# KiCad board coco2.kicad_pcb (continued)
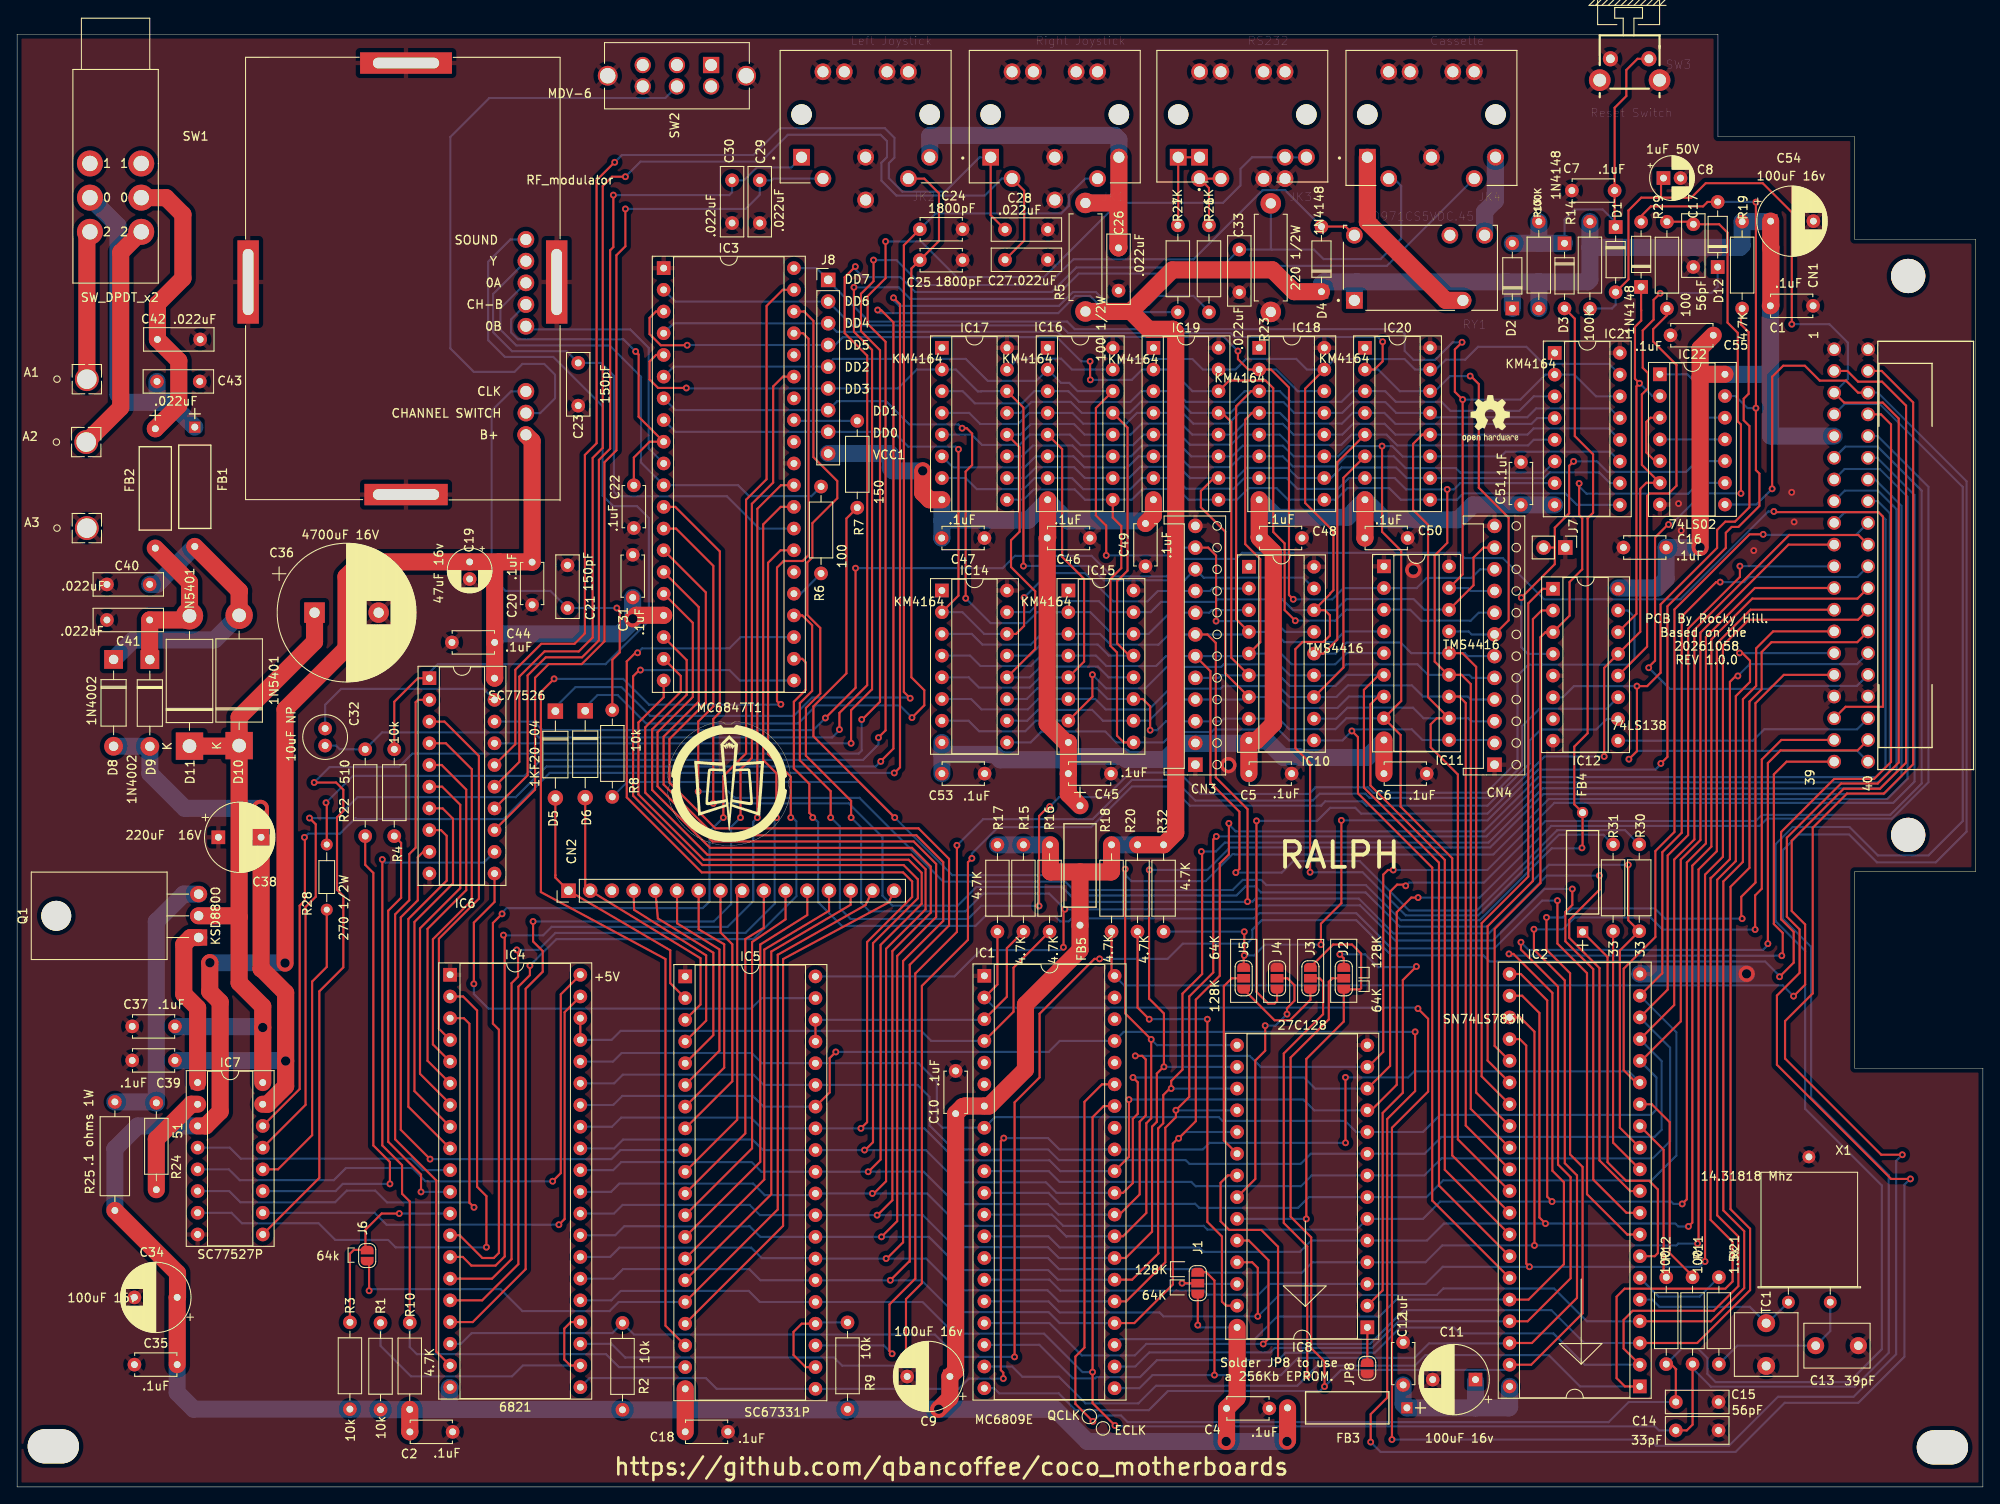
[diagram p0: board, top side]
## Routing (per net, layer and track width the routed paths; a pad name or vN(x,y) marks a point on that pad's centre or on a via; arc(x,y) is an arc through that point) (continued)
/roms/128K_ROM_~{CE}: length 168.9
  Top w0.25: v2(154.94,78) 154.94,68.3 152.55,65.91 v2(152.55,63.45) ; 143.51,60.82 143.51,62.13 v2(143.58,62.2) v2(143.58,64.97) ; v2(192.32,84.66) 193.09,85.43 193.09,103.05 199.92,109.88 199.92,111.65 200.61,112.34 201.4,112.34 203.85,114.79 203.85,118.58 203.44,118.99 v2(203.44,126.24) v2(203.44,150.35) ; 198.97,150.37 197.78,150.37 197.26,149.85 191.15,149.85 190.01,148.71 D7.2
  Bottom w0.25: v2(143.58,64.97) 143.57,64.98 R32.2 ; v2(143.58,62.2) 144.74,62.2 145.99,63.45 v2(152.55,63.45) ; v2(203.44,126.24) 202.47,126.24 201.05,127.66 IC22.13 ; v2(203.44,150.35) 203.42,150.37 198.97,150.37 ; v2(192.32,84.66) 192.32,84.58 191.68,83.94 177.98,83.94 172.04,78 v2(154.94,78)
/roms/A11_OR_A12: length 50.4
  Top w0.25: v2(150.84,31.36) 150.84,50.08 155.22,54.46 J2.1 157.12,58.22 157.25,58.35 157.25,62.4 156.18,63.47 153.97,63.47 151.32,60.82
  Bottom w0.25: IC8.23 150.83,31.37 v2(150.84,31.36)
/roms/A12_OR: length 53.4
  Top w0.25: IC8.2 159.77,23 159.77,43.76 162.13,46.12 162.13,59.31 v2(163.72,60.9) ; v2(154.76,62.32) 155.22,61.86 155.22,60.82
  Bottom w0.25: v2(163.72,60.9) 163.64,60.82 159.22,60.82 157.72,62.32 v2(154.76,62.32)
/roms/A13_VCC: length 8.3
  Top w0.25: J1.2 v2(136.3,23.84)
  Bottom w0.25: v2(136.3,23.84) 136.39,23.75 IC8.26
/roms/~{CE_}A11: length 22.9
  Top w0.25: J5.2 142.12,59.52 141.19,58.59 141.19,40.54 IC8.20
/roms/~{CS_BASIC}: length 138.3
  Top w0.25: v2(185.69,85.48) 185.69,95.85 IC12.13 189.91,100.07 189.91,116.79 190.62,117.5 IC22.6 190.1,119.6 190.1,127.84 190.81,128.55 190.81,130.35 190.2,130.96 190.2,135.33 191.47,136.6 191.47,138.91 v2(192.24,139.68) ; v2(145.01,77.94) 145.01,57.93 146.38,56.56 147.12,56.56 147.41,56.85 J4.3
  Bottom w0.25: D12.1 198.97,140.44 198.97,140.44 198.24,139.71 192.27,139.71 v2(192.24,139.68) ; v2(185.69,85.48) 178.72,85.48 172.03,78.79 157.25,78.79 156.57,79.47 153.63,79.47 152.1,77.94 v2(145.01,77.94)
/roms/~{ROM_OE}: length 30.7
  Top w0.25: J4.2 148.64,59.52 149.45,58.71 149.45,56.89 148.58,56.02 v2(148.58,55.33) ; v2(146.03,53.97) 146.03,51.05 144.87,49.89 144.87,36.04 IC8.22
  Bottom w0.25: v2(146.03,53.97) 147.22,53.97 v2(148.58,55.33)
/R~{W}: length 248.9
  Top w0.25: v2(155.42,47.92) 155.42,40.28 v2(155.43,40.27) ; v2(204.29,111.47) 202.7,111.47 193.91,102.68 193.91,76.64 191.68,74.41 191.68,64.35 187.97,60.64 187.97,48.77 189.42,47.32 189.86,47.32 ; v2(115.44,40.82) 115.1,40.48 115.1,13.66 115.39,13.37 v2(115.39,12.68)
  Bottom w0.25: v2(115.44,40.82) 120.62,40.82 121.95,39.49 IC1.32 138.74,39.49 139.52,40.27 v2(155.43,40.27) ; IC4.21 66.97,12.74 80.59,12.74 81.85,11.48 IC5.21 110.17,11.48 111.36,12.68 115.39,12.68 v2(115.39,12.68) ; 189.86,47.32 188.56,48.62 163.46,48.62 162.76,47.92 v2(155.42,47.92) ; v2(204.29,111.47) 204.35,111.41 215.16,111.41 CN1.18
/sam/DA0: length 168.3
  Top w0.25: v2(180.22,68.61) 180.22,63.58 183.68,60.12 183.68,34.25 188.41,29.52 188.43,29.54 IC2.8 ; 93.09,78.47 92.69,78.87 92.69,82.27 90.88,84.08 90.88,91.88 92.28,93.28 92.28,96.48 91.86,96.91 IC3.22
  Bottom w0.25: v2(93.09,78.33) 93.18,78.33 93.73,77.78 93.73,68.41 96.49,65.65 112.12,65.65 113.26,66.79 121.43,66.79 122.04,66.18 123.04,66.18 123.74,66.88 124.99,66.88 125.34,66.53 144.72,66.53 145.33,67.14 156.68,67.14 160.8,63.02 172.84,63.02 178.43,68.61 v2(180.22,68.61)
/sam/~{BUS_ENABLE}: length 166
  Top w0.25: v2(119.57,67.98) 119.57,78.51 120.67,79.61 v2(120.82,79.61) ; 95.19,78.51 95.19,81.42 91.58,85.03 91.58,91.74 91.61,91.74 93.02,93.15 93.02,100.83 91.86,101.99 IC3.24
  Bottom w0.25: v2(95.19,78.33) 95.23,78.33 96.26,77.29 96.26,67.72 97.52,66.46 111.26,66.46 112.8,68 119.55,68 v2(119.57,67.98) ; IC12.15 188.45,102.56 189.23,101.78 189.23,96.92 188.53,96.22 176.83,96.22 175.55,94.94 175.55,84.92 171.86,81.23 158.68,81.23 158.04,81.87 151.86,81.87 151.86,81.79 151.16,81.09 138.46,81.09 135.95,83.6 130.23,83.6 127.35,80.72 121.93,80.72 v2(120.82,79.61)
/sam/~{CS_EXTENDED_BASIC}: length 45
  Top w0.25: D7.1 190.01,137.7 190.02,137.69 190.02,136.48 189.29,135.75 189.29,129.68 v2(189.82,129.15) 189.46,128.79 189.46,102.16 IC12.14
  Bottom w0.25: IC22.2 191.31,127.66 v2(189.82,129.15)
/sam/~{RAS_}CP: length 189.5
  Top w0.25: IC2.12 187.52,42.04 187.52,62.76 R30.2 188.51,66.31 v2(188.51,72.8) ; v2(79.69,81.37) 79.69,89.56 81.46,91.33 81.46,107.78 77.09,112.15 IC3.13
  Bottom w0.25: v2(188.51,72.8) 179.21,72.8 171.98,65.57 161.77,65.57 157.78,69.56 145.54,69.56 144.83,70.27 143.72,70.27 142.66,69.21 124.25,69.21 122.63,70.83 108.37,70.83 98.56,80.64 83.95,80.64 83.22,81.37 v2(79.69,81.37)
/VDGCLK: length 233.6
  Top w0.25: v2(102.68,78.33) 93.17,87.84 93.17,91.34 97.03,95.2 97.03,113.32 R7.1 ; D3.2 182.25,136.71 182.25,122.97 184.39,120.83 184.39,113.99 183.75,113.35 183.75,88.19 182.19,86.63 182.19,79.88 FB4.2 183.16,74.85 v2(183.09,74.78)
  Bottom w0.25: R8.2 71.38,82.49 98.52,82.49 v2(102.68,78.33) 109.43,71.58 122.95,71.58 124.68,69.85 142.22,69.85 143.4,71.03 145.56,71.03 146.16,70.43 157.8,70.43 161.91,66.32 171.14,66.32 179.55,74.73 183.14,74.73
/video/~{BURST}PC: length 4.2
  Bottom w0.25: IC3.25 91.68,104.53 R6.1
/video/~{INT}_EXT: length 127.3
  Top w0.25: IC3.30 89.37,117.23 86.61,114.46 86.61,78.32 ; IC4.14 52.14,26.91 53.15,25.9 55.98,25.9 57.05,26.97 57.05,64.42 v2(56.9,64.57)
  Bottom w0.25: v2(56.9,64.57) 56.92,64.55 61.55,64.55 62.54,65.54 83.12,65.54 86.13,68.55 86.13,77.84 v2(86.61,78.33)
/~{CART}: length 281.7
  Top w0.25: v2(126.65,61.79) 126.05,61.79 119.63,55.37 119.63,47.92 116.7,45 v2(116.7,15.22) ; CN1.8 218.07,125.51 219.25,124.33 219.25,84.83 217.27,82.85 212.6,82.85 206.39,76.64 206.39,66.42 207.86,64.95 207.86,61.35 v2(206.21,59.7)
  Bottom w0.25: IC4.18 51.94,16.75 53.19,18 69.65,18 R2.1 72.18,17.83 107.38,17.83 109.99,15.22 v2(116.7,15.22) ; v2(206.21,59.7) 206.21,59.79 204.52,61.48 172.28,61.48 171.56,62.2 160.8,62.2 156.68,66.32 145.63,66.32 144.52,65.21 144.52,64.2 143.89,63.57 136.39,63.57 134.61,61.79 v2(126.65,61.79)
/~{CS_PIA0}: length 161.9
  Top w0.25: v2(102.38,15.58) 102.07,15.89 102.07,21.36 105.09,24.38 105.09,60.08 109.96,64.95 v2(109.96,75.08)
  Bottom w0.25: IC12.11 185.98,91.06 178.12,91.06 176.1,89.04 176.1,84.44 172.3,80.64 158.24,80.64 157.76,81.12 152.4,81.12 151.6,80.32 137.85,80.32 135.43,82.74 130.45,82.74 125.85,78.14 113.02,78.14 v2(109.96,75.08) ; v2(102.38,15.58) 101.4,16.56 IC5.23
/~{CSPIA1}: length 188.3
  Top w0.25: v2(111.71,73.56) 111.25,73.1 111.25,64.02 105.86,58.63 105.86,23.84 104,21.98 104,16.07 v2(104.53,15.54)
  Bottom w0.25: IC4.23 69.53,16.75 71.16,15.12 71.18,15.15 95.58,15.15 96.53,14.19 103.18,14.19 v2(104.53,15.54) ; v2(111.71,73.56) 111.71,74.12 114.79,77.2 125.66,77.2 130.43,81.97 134.96,81.97 137.21,79.72 152.59,79.72 152.59,79.76 153.06,80.23 157.38,80.23 157.89,79.72 172.03,79.72 176.96,84.65 176.96,87.32 178.27,88.63 184.77,88.63 186,89.86 IC12.10
/~{CTS}: length 93.9
  Top w0.25: v2(193.22,112.62) 193.15,112.62 191.64,111.11 191.64,96.69 190.9,95.95 v2(190.9,95.86) ; R29.1 195.83,148.05 C17.2 199.14,147.76 200.12,146.78 200.12,136.25 201.32,135.05 201.32,124.69 201.69,124.32 v2(201.69,116.26)
  Bottom w0.25: v2(190.9,95.86) 193.38,93.38 204.97,93.38 205.32,93.73 215.26,93.73 CN1.32 ; v2(201.69,116.26) 197.18,116.26 193.54,112.62 v2(193.22,112.62)
/~{FIRQ}: length 66.7
  Top w0.25: IC1.4 116.58,55.6 116.58,60.76 R16.2 ; IC4.38 IC4.37
  Bottom w0.25: IC4.37 69.56,52.31 70.62,53.37 105.78,53.37 106.96,52.19 IC1.4
/~{FS}: length 163.9
  Top w0.25: IC5.18 75.86,18.87 75.86,61.77 61.28,69.61 61.28,93.01 v2(62.83,94.56) ; IC3.37 91.95,135 92.6,134.36 92.6,109.04 91.91,108.35 89.68,108.35 88.91,107.58 88.91,91.95 89.28,91.58 v2(89.36,91.58)
  Bottom w0.25: v2(89.36,91.58) 89.31,91.53 73.94,91.53 70.91,94.56 v2(62.83,94.56)
/~{HALT}: length 174.2
  Top w0.25: v2(207.85,57.43) 207.86,57.43 209.2,58.77 209.2,65.82 207.63,67.39 207.63,75.62 213.71,81.7 217.96,81.7 221.01,84.75 221.01,126.53 218.2,129.34 215.39,129.34 214.14,130.59 CN1.3 ; IC1.40 128.05,60.17 R18.2
  Bottom w0.25: v2(207.85,57.43) 206.59,58.69 129.52,58.69 IC1.40
/~{HS}: length 244.8
  Top w0.25: IC3.38 92.08,137.55 92.08,137.55 93.17,136.46 93.17,120.5 95.96,117.71 95.96,115.69 93.05,112.78 93.05,108.77 92.46,108.18 92.46,102.03 93.97,100.52 93.97,92.84 92.29,91.16 92.29,85.57 97.58,80.28 v2(97.58,78.33) ; v2(181.96,69.97) 181.96,68.1 181.15,67.29 181.15,63.85 184.41,60.59 184.41,35.96 188.29,32.08 IC2.9 ; v2(122.59,67.6) 122.43,67.44 122.43,63.4 122.42,63.39 v2(122.42,63.15)
  Bottom w0.25: IC5.40 109.67,59.74 112.75,62.82 122.09,62.82 v2(122.42,63.15) ; v2(97.58,78.33) 98.75,77.16 98.75,68.34 99.73,67.36 110.96,67.36 113.03,69.43 120.76,69.43 v2(122.59,67.6) 144.85,67.6 145.31,68.06 157.12,68.06 161.24,63.94 172.67,63.94 178.71,69.98 181.95,69.98 v2(181.96,69.97)
/~{IRQ}: length 34.5
  Top w0.25: IC5.38 IC5.37 ; 113.17,54.73 115.8,57.36 115.8,63.04 R15.2
  Bottom w0.25: 113.17,54.73 113.1,54.66 IC5.38
/~{NMI}: length 310.4
  Top w0.25: v2(163.9,55.97) 165.09,54.78 165.09,46.26 160.86,42.03 v2(160.86,5.54) ; v2(220.57,38.87) 218.11,38.87 206.85,50.13 206.85,54.51 210.09,57.75 210.09,77.14 214.09,81.14 218.41,81.14 221.84,84.57 221.84,126.9 218.15,130.59 CN1.4 ; R17.2 114.7,58.8 IC1.2
  Bottom w0.25: v2(220.57,38.87) 219.85,38.15 219.85,15.53 214.87,10.55 206.03,10.55 200.29,4.81 191.77,4.81 191.04,5.54 v2(160.86,5.54) ; IC1.2 114.37,56.07 163.8,56.07 v2(163.9,55.97)
/~{RESET}: length 424.8
  Top w0.25: C8.1 192.34,152.88 192.34,150.87 ; v2(163.57,53.25) 163.57,46.32 160.3,43.05 160.3,10.44 158.37,8.51 v2(158.37,5.25) ; 192.34,150.87 190.03,150.87 188.53,149.37 188.53,141.31 D1.2 ; 192.34,150.87 195.88,150.87 197.57,152.56 204.24,152.56 207.64,149.16 v2(207.64,136.06) ; v2(95.79,50.9) 95.07,50.18 95.07,46.16 IC5.34 ; CN1.5 213.76,126.89 218.28,126.89 220.15,125.02 220.15,84.77 217.69,82.31 213.4,82.31 207.06,75.97 207.06,66.73 208.55,65.24 208.55,60.15 205.9,57.5 205.9,49.4 219.26,36.04 v2(221.52,36.04)
  Bottom w0.25: D1.2 187.03,138.33 186.6,137.9 R14.2 ; v2(158.37,5.25) 159.53,4.09 201.06,4.09 206.81,9.84 215.42,9.84 220.81,15.23 220.81,35.36 221.49,36.04 v2(221.52,36.04) ; v2(95.79,50.9) 120.7,50.9 121.99,52.19 IC1.37 129.47,53.25 v2(163.57,53.25) ; IC4.34 69.74,44.69 70.8,45.75 86.08,45.75 87.33,44.5 IC5.34 ; CN1.5 214.2,129.65 214.2,133.9 212.04,136.06 v2(207.64,136.06)
/~{SCS}: length 30.3
  Bottom w0.25: CN1.36 215.27,88.66 204.42,88.66 203.08,87.32 IC12.9
/~{SLENB}: length 100.2
  Top w0.25: R19.2 201.68,137.75 201.68,136.04 202.59,135.13 202.59,127.92 202.01,127.34 202.01,124.82 202.68,124.15 202.68,114.64 201,112.96 199.87,112.96 198.9,111.99 198.9,109.88 192.29,103.27 192.29,95.28 190.72,93.71 v2(189.52,93.71) 189.52,86.1 v2(188.58,85.16)
  Bottom w0.25: IC12.6 180.84,92.4 182.15,93.71 v2(189.52,93.71) ; CN1.40 215.3,86.13 189.55,86.13 v2(188.58,85.16)
Net-(A1-Pad1): length 17.4
  Top w2: SW1.3 8.16,146.51 A1.1
Net-(A2-Pad1): length 27.3
  Top w2: SW1.6 12.12,144.47 12.12,126.3 A2.1
Net-(C7-Pad1): length 41.3
  Top w0.25: SW3.1 189.59,167.12 188.28,165.81 188.28,162.76 186.91,161.39 C7.1 186.91,147.55 D1.1
  Bottom w0.25: D3.1 181.05,148.3 182.24,149.49 185.51,149.49 187.03,147.97 D1.1
  Bottom w2: R13.2 178.04,145.66 178.17,145.53 ; 178.17,145.53 D3.1 ; 178.17,145.53 D2.2
Net-(C11-Pad1): length 20.4
  Bottom w2: 170.63,9.25 170.63,12.36 ; 170.63,9.25 174.54,9.25 174.62,9.33 IC2.40 ; 170.63,9.25 FB3.1 162.17,9.69 C12.2
Net-(C13-Pad1): length 18
  Bottom w0.25: R21.2 201.27,16.53 C13.1 212.14,18.24 X1.1
Net-(C21-Pad2): length 53
  Top w0.25: R8.1 69.64,96.79 70.51,97.66 70.51,102.51 v2(70.17,102.85)
  Bottom w0.25: 59.53,128.2 57.79,128.2 55.53,125.94 55.53,106.47 57.15,104.85 62.4,104.85 C21.2 v2(70.17,102.85)
Net-(C22-Pad1): length 38.9
  Top w0.25: v2(72.37,132.87) 72.72,132.52 72.72,125.24 IC3.9 74.01,122.31 72.16,120.46 C22.1
  Bottom w0.25: MDV-6.5 57.81,136.64 57.81,135.09 58.6,134.3 70.93,134.3 72.36,132.87 v2(72.37,132.87)
Net-(C23-Pad2): length 62.6
  Bottom w0.25: IC3.28 86.83,112.15 83.05,115.93 70.38,115.93 69.83,116.48 69.83,130.02 68.32,131.53 C23.2 64.28,132.9 57.92,132.9 55.69,135.13 55.69,139.6 MDV-6.7
Net-(C24-Pad1): length 125.2
  Top w0.25: C24.1 103.75,145.3 103.75,93.03 v2(104.49,92.29)
  Bottom w0.25: JK1.4 124.99,153.1 123.06,151.17 123.06,149.92 122.17,149.03 107.48,149.03 C24.1 ; v2(104.49,92.29) 104.4,92.38 93.03,92.38 90.88,90.23 74.07,90.23 70.7,93.6 65.34,93.6 62.98,91.24 D5.1
Net-(C25-Pad1): length 110.3
  Top w0.25: v2(104.7,90.02) 106.14,91.46 106.14,93.23 104.63,94.74 104.63,142.57 C25.1 107.86,145.8 107.86,151.38 106.14,153.1 JK2.4
  Bottom w0.25: D6.1 66.47,91.23 67.91,92.67 70.27,92.67 73.6,89.34 91.38,89.34 93.49,91.45 103.27,91.45 v2(104.7,90.02)
Net-(C26-Pad1): length 46.5
  Top w2: R5.2 128.67,150.25 128.79,150.13 128.79,145.07 C26.1 128.91,145.03 JK1.5
  Bottom w2: JK1.5 128.91,157.66 128.42,158.15 106.84,158.15 106.78,158.09 JK2.5
Net-(C32-Pad2): length 23.9
  Bottom w0.25: IC6.19 54.57,93.39 37.91,93.39 36.04,91.52 C32.2
Net-(C40-Pad1): length 34.2
  Top w2: 25.98,101.99 25.98,104.8 26.01,104.83 FB1.2
  Bottom w2: 25.98,101.99 23.1,99.11 13.57,99.11 D8.1 ; C40.1 16.35,105.61 FB1.2
Net-(C41-Pad1): length 19.1
  Top w2: FB2.2 20.17,105.86 D11.2 19.69,101.45 C41.1 15.51,96.83 D9.1
Net-(C42-Pad1): length 34.2
  Top w2: SW1.5 17.43,150.87 19.4,148.9 19.4,141.43 16.42,138.45 C42.1 18.92,131.78 18.92,126.56 16.19,123.83 FB2.1
Net-(C43-Pad1): length 37.6
  Bottom w2: C43.1 16.37,127.49 15.8,126.92 ; SW1.2 11.8,147.59 11.8,127.86 12.74,126.92 15.8,126.92 ; FB1.1 17.89,126.92 15.8,126.92
Net-(CN2-Pad9): length 35.6
  Top w0.25: CN2.9 84.25,69.19 84.25,42.96 78.17,36.88
Net-(CN2-Pad10): length 39.6
  Top w0.25: CN2.10 87.36,65.43 85.2,64.11 85.2,41.37 IC5.11
Net-(CN2-Pad11): length 43.3
  Top w0.25: CN2.11 89.91,66.42 85.99,63.76 85.99,39.62 IC5.12
Net-(CN2-Pad12): length 47.2
  Top w0.25: IC5.13 86.95,38.04 86.95,63.47 92.45,66.92 CN2.12
Net-(CN2-Pad13): length 51.2
  Top w0.25: IC5.14 87.42,35.97 87.42,62.88 95,67.42 CN2.13
Net-(CN2-Pad14): length 55.1
  Top w0.25: IC5.15 88.24,34.25 88.24,62.65 97.52,68.12 CN2.14
Net-(CN2-Pad15): length 100.9
  Top w0.25: IC5.16 89,32.47 89,62.27 99.27,68.09 CN2.15 ; J6.1 41.18,26.19 v2(41.18,22.96)
  Bottom w0.25: v2(41.18,22.96) 41.37,23.14 56.56,23.14 59.12,20.58 69.33,20.58 70.39,21.64 IC5.16
Net-(CN2-Pad16): length 62.9
  Top w0.25: IC5.17 89.62,30.55 89.62,61.77 101.99,68.41 CN2.16
Net-(FB4-Pad1): length 45.1
  Top w0.25: 189.86,27 191.61,27 191.97,27.36 191.97,34.81 190.96,35.82 188.26,35.82 186.08,38 186.08,62.02 FB4.1
Net-(IC2-Pad5): length 19.5
  Bottom w0.25: X1.2 204.78,19.16 TC1.1 202.72,21.08 192.14,21.08 191.3,21.92 IC2.5
Net-(IC2-Pad6): length 11.1
  Bottom w0.25: IC2.6 192.06,22.26 196.84,22.26 R21.1
Net-(IC2-Pad11): length 29.2
  Top w0.25: R31.2 186.73,40.29 189.86,37.16
Net-(IC2-Pad13): length 19
  Top w0.25: R12.2 192.64,24.84 192.64,39.46 IC2.13
Net-(IC2-Pad14): length 23.6
  Top w0.25: R11.2 196.03,24.68 193.35,27.36 193.35,42.69 191.26,44.78 189.86,44.78
Net-(IC3-Pad10): length 29.7
  Bottom w0.25: IC3.10 73.9,121.52 73.9,133.29 71.74,135.45 59.9,135.45 MDV-6.4
Net-(IC3-Pad11): length 58.6
  Bottom w0.25: R6.2 92.94,115.94 85.64,115.94 84.36,117.23 IC3.11 73,119.88 73,129.9 69.33,133.57 58.41,133.57 56.55,135.43 56.55,137.92 MDV-6.6
Net-(IC3-Pad33): length 7.4
  Bottom w0.25: R7.2 90.98,124.75 IC3.33
Net-(IC4-Pad4): length 43.2
  Top w0.25: IC4.4 49.35,53.62 49.35,64.15 54.03,68.83 54.03,85.53 50,89.56 IC6.3
Net-(IC4-Pad5): length 43.2
  Top w0.25: IC6.4 50.17,87.02 53.2,83.99 53.2,68.64 48.65,64.09 48.65,51.78 IC4.5
Net-(IC4-Pad6): length 42.8
  Top w0.25: IC6.5 49.67,84.48 52.55,81.6 52.55,69.83 48.02,65.3 48.02,49.87 IC4.6
Net-(IC4-Pad7): length 43
  Top w0.25: IC6.6 49.73,81.94 51.85,79.82 51.85,70.07 47.14,65.36 47.14,48.34 50.66,44.82 IC4.7
Net-(IC4-Pad8): length 42.9
  Top w0.25: IC6.7 49.79,79.4 51,78.19 51,70.62 46.49,66.11 46.49,46.32 IC4.8
Net-(IC4-Pad9): length 42.8
  Top w0.25: IC6.8 49.6,76.86 50.26,76.2 50.26,70.94 45.78,66.46 45.78,44.49 IC4.9
Net-(IC4-Pad11): length 47.6
  Top w0.25: v2(47.26,34.52) 47.26,36.55 43.42,40.39 43.42,67.43 44.93,68.94 44.93,75.36 R4.2
  Bottom w0.25: IC4.11 47.27,34.53 v2(47.26,34.52)
Net-(IC4-Pad12): length 23.4
  Top w0.25: v2(44.72,31.99) 42.65,31.99 40.76,30.1 40.76,27.92 J6.2 40.94,27.74 39.4,27.74 38.94,27.28 R3.2
  Bottom w0.25: IC4.12 v2(44.72,31.99)
Net-(IC4-Pad19): length 83
  Top w0.25: IC6.2 46.9,92.1 46.63,91.83 46.63,74.8 45.89,74.06 45.89,68.66 44.23,67 44.23,40.68 49.05,35.86 49.05,15.82 IC4.19
Net-(IC4-Pad22): length 36.1
  Top w0.25: IC4.22 64.72,14.21 64.02,14.91 64.02,18.53 64.78,19.29 IC4.24
  Bottom w0.25: R1.2 42.52,16.51 46.09,12.94 57.9,12.94 59.17,14.21 IC4.22
Net-(IC5-Pad22): length 12.6
  Top w0.25: IC5.24 91.8,19.1 90.84,18.14 90.84,15.44 92.26,14.02 IC5.22
  Bottom w0.25: IC5.24 93.56,19.25 R9.2
Net-(IC6-Pad17): length 175.9
  Top w0.25: v2(97.91,140.38) 97.91,135.18 100.03,133.06 100.03,93.34 97.58,90.89 v2(97.58,87.02)
  Bottom w0.25: IC6.17 v2(97.58,87.02) ; JK4.5 160.27,142.89 142.3,142.89 141.39,141.98 124.2,141.98 121.25,139.03 104.49,139.03 103.14,140.38 v2(97.91,140.38)
Net-(IC7-Pad1): length 18.9
  Top w2: Q1.1 20.31,64.29 19.5,63.48 19.5,57.67 21.12,56.05 IC7.1
Net-(IC7-Pad2): length 12.4
  Top w2: IC7.2 20.37,44.78 16.29,40.7 R24.2
Net-(IC7-Pad11): length 57.1
  Top w0.25: v2(43.62,35.46) 43.62,38.02 41.68,39.96 41.68,71.85 40.73,72.8 R22.2
  Bottom w0.25: IC7.11 37.27,34.62 38.11,35.46 v2(43.62,35.46)
Net-(IC8-Pad1): length 4.1
  Top w0.25: IC8.1 157.98,14.55 JP8.1
Net-(IC8-Pad27): length 53.3
  Top w0.25: IC8.27 141.44,21.21 140.97,21.68 140.97,29.3 139.26,31.01 v2(139.26,54.73) ; v2(132.46,54.73) 131.09,56.1 R20.2
  Bottom w0.25: v2(132.46,54.73) v2(139.26,54.73)
Net-(IC12-Pad1): length 65.8
  Top w0.25: IC12.1 178.51,105.1 176.81,103.4 176.81,71.43 171.35,65.97 171.35,48.05 174.62,44.78
Net-(IC12-Pad2): length 60.3
  Top w0.25: 174.62,47.32 172.05,49.89 172.05,65.6 177.35,70.9 177.35,101.55 178.36,102.56 IC12.2
Net-(IC12-Pad3): length 91.5
  Top w0.25: IC2.25 172.87,51.61 172.87,65.3 178.23,70.66 178.23,99.43 178.82,100.02 IC12.3 181.64,101.96 181.64,105.9 183.12,107.38 183.12,113.34 182.76,113.7 v2(182.76,117.43)
  Bottom w0.25: v2(182.76,117.43) 182.76,117.09 183.63,116.22 195.5,116.22 196.78,117.5 IC22.9
Net-(IC12-Pad4): length 48.4
  Top w0.25: v2(182.11,120.01) 181.59,119.49 181.59,113.93 179.91,112.25 179.91,109.94 ; J7.2 179.9,109.93 179.91,109.94 ; 179.91,109.94 179.91,107.98 v2(175.99,104.06)
  Bottom w0.25: v2(182.11,120.01) 184.85,120.01 186.09,118.77 195.27,118.77 196.54,120.04 IC22.10 ; IC12.4 176.77,97.48 175.99,98.26 v2(175.99,104.06)
Net-(IC12-Pad12): length 48.9
  Top w0.25: R29.2 193.03,137.1 191.42,135.49 191.42,134.03 194.15,131.3 194.15,117.16 193.24,116.25 190.99,116.25 190.71,115.97 190.71,98.33 IC12.12
Net-(IC22-Pad1): length 11.5
  Bottom w0.25: IC22.1 195.42,130.2 197.1,128.52 197.1,125.55 197.53,125.12 IC22.12
Net-(IC22-Pad11): length 7.6
  Bottom w0.25: IC22.4 IC22.11
Net-(J3-Pad3): length 11.5
  Top w0.25: J5.3 147.12,54.61 148.93,54.61 151.32,57 J3.3
Net-(JK3-Pad1): length 10.5
  Top w0.25: R27.2 135.85,147.67 JK3.1 JK3.1
Net-(JK3-Pad2): length 8.4
  Top w0.25: JK3.2 JK3.2 139.45,152 R26.2
Net-(JK3-Pad4): length 191.2
  Top w0.25: v2(100.78,87.68) 100.78,87.7 101.61,88.53 101.61,134.01 99.51,136.11 99.51,139.34 101.61,141.44 v2(101.61,145.74) ; R28.1 36.23,79.98 v2(36.14,80.06)
  Bottom w0.25: v2(36.14,80.06) 39.29,83.21 59.4,83.21 61.26,85.07 98.97,85.07 100.78,86.88 v2(100.78,87.68) ; v2(101.61,145.74) 105.78,145.74 109.95,141.57 120.15,141.57 128.85,150.27 141.1,150.27 143.14,152.31 143.14,154.24 144.5,155.6 JK3.4 JK3.4
Net-(JK4-Pad1): length 22.6
  Top w2: JK4.1 157.98,148.03 167.16,138.85 RY1.11
Net-(JK4-Pad3): length 9.7
  Bottom w2: RY1.14 171.7,149.24 172.96,150.5 172.96,155.58 JK4.3
Net-(MDV-6-Pad2): length 74.9
  Bottom w0.25: SW2.5 75.84,162.53 55.24,162.53 50.69,157.98 50.69,133.23 53.44,130.48 58.19,130.48 59.12,131.41 61.67,131.41 62.94,130.14 62.94,127.4 61.2,125.66 MDV-6.2
Net-(Q1-Pad3): length 32.4
  Bottom w2: 11.44,45.05 16.18,45.05 R24.1 16.29,66.17 19.49,69.37 Q1.3

## Copper pours and planes (outline as drawn; the poured copper is in the pictures)
GNDS on Top: -17,192.15 265.35,191.8 265.7,-14.7 -20.17,-15.75 -17,192.18
GNDS on Bottom: 256.55,-10.25 -11.1,-10.25 -11.12,184.8 -11.1,184.78 256.78,185.03

## Text on the board
F.Silkscreen: +5V | DD7 | DD6 | DD4 | DD5 | DD2 | DD3 | DD1 | DD0 | VCC1 | QCLK | ECLK | Solder JP8 to use / a 256Kb EPROM. | PCB By Rocky Hill. / Based on the / 20261058 / REV 1.0.0 | https://github.com/qbancoffee/coco_motherboards | RALPH
